# Altium PCB RF-BPF_backup.PcbDoc (part 2 of 2)
Units mm, origin at the board's own origin, x right, y up, seen from the top; angles counter-clockwise.
Board outline 170 x 77.5 mm, 2 copper layers (Top Layer, Top, Bottom Layer, Bottom), stack 1.671 mm thick; 221 components, 128 nets, 704 pads, 14 vias.
Unrouted connection lines stored in the file: 307.
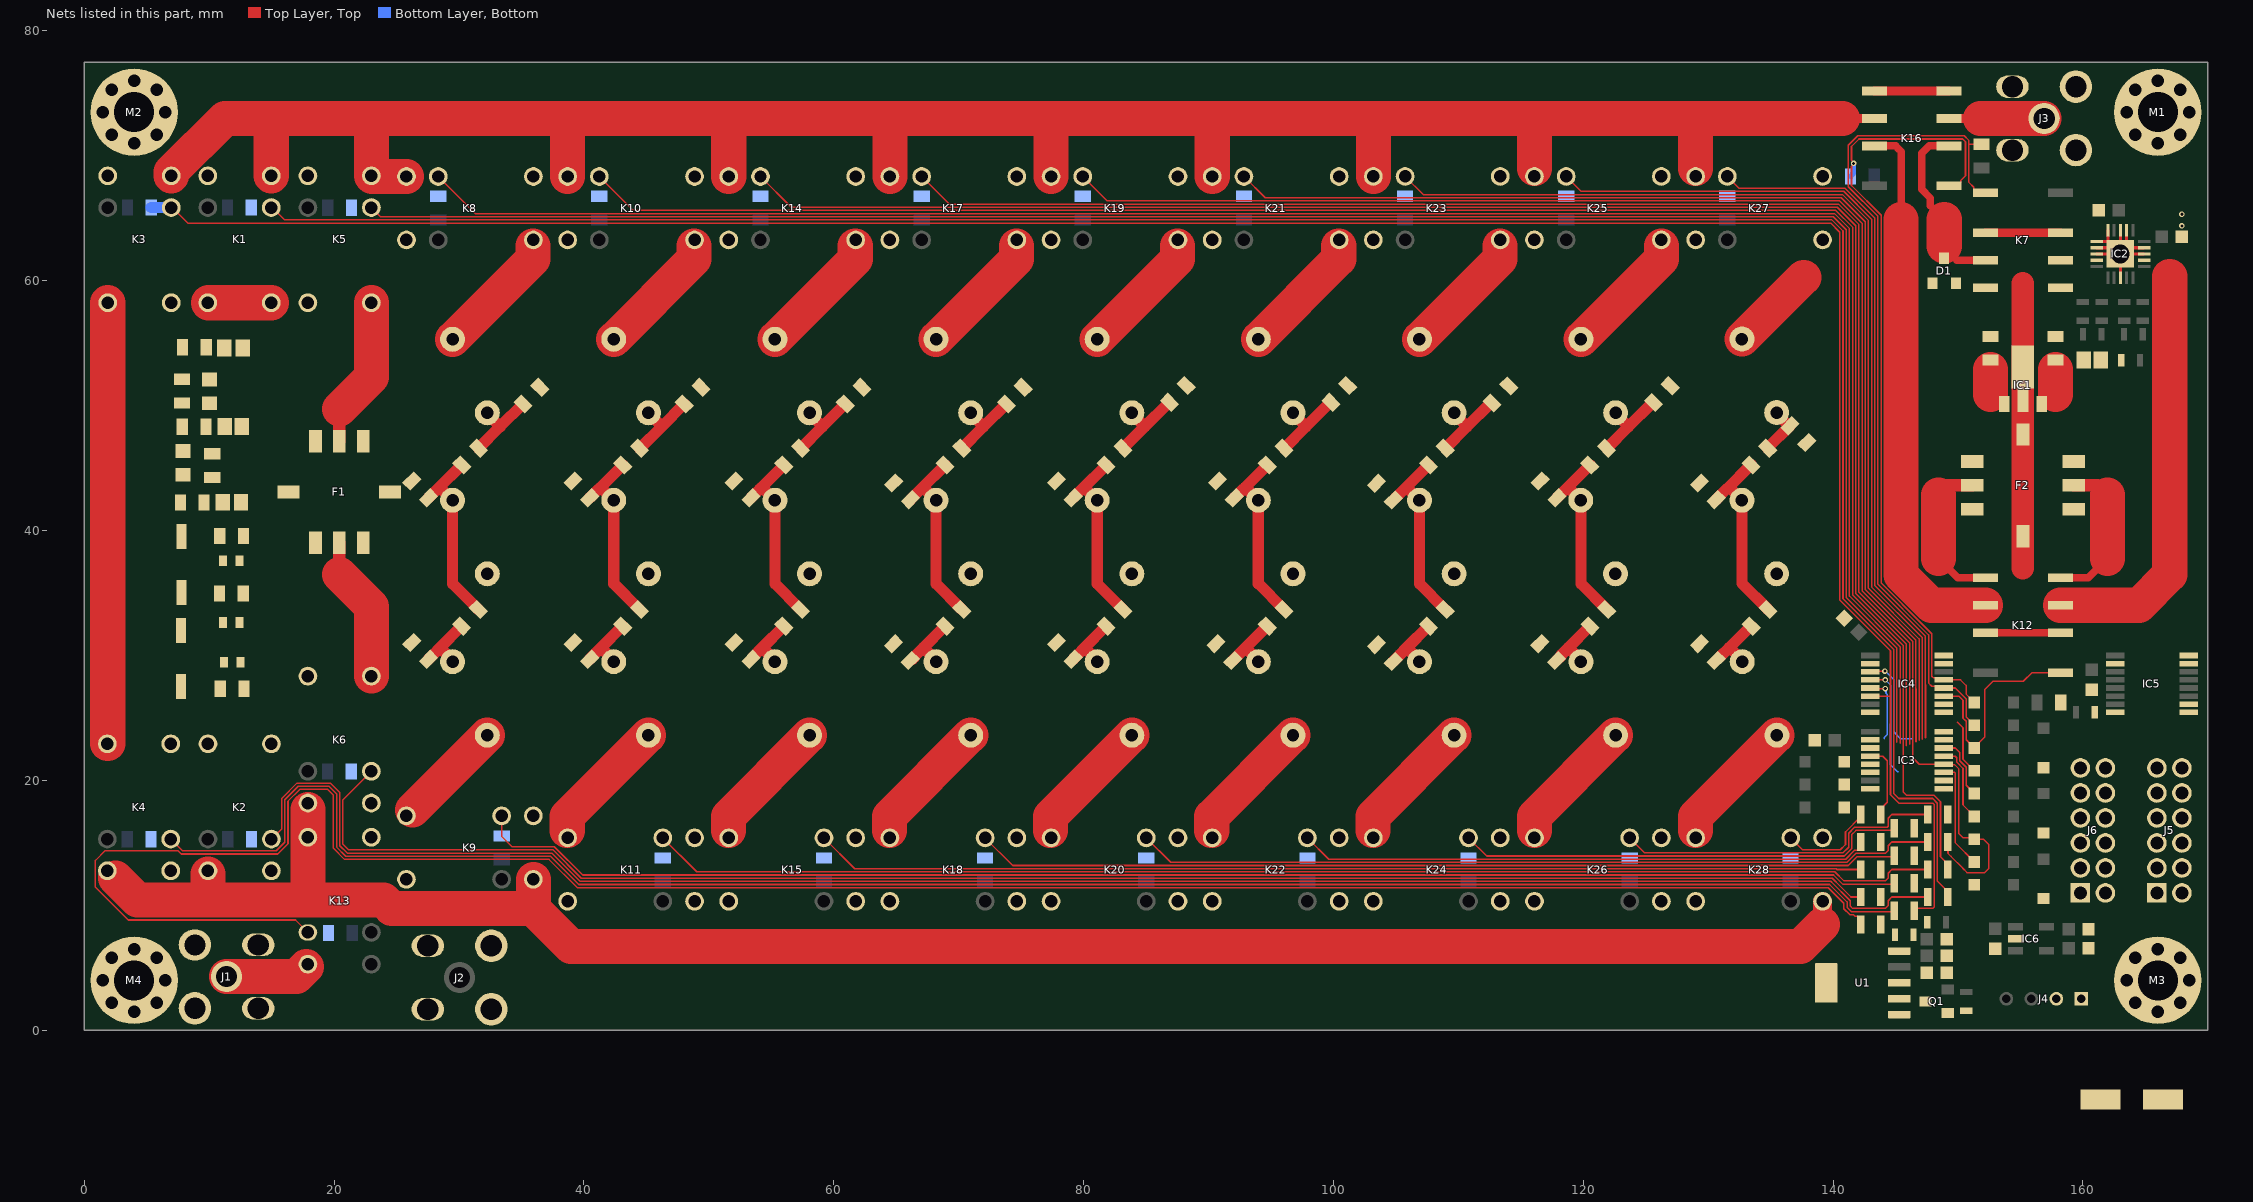
[diagram p2: the nets of this part, all layers, seen from the top]

## Via types
v1: diameter 0.45, hole 0.25, Top Layer, Top to Bottom Layer, Bottom, 14 vias

## Nets (pads, with @x,y where several pads share a name; then routed paths per layer and width w, separated by ;. In a path a pad name is that pad's centre, name@x,y a point inside that pad or via, vN(x,y) a via of type N, cw(c..) or ccw(c..) an arc to the next point about the centre after c; other vN are vias at no path point) (continued)
BPF_IN: K1.10 K3.10 K5.10 K8.10 K10.10 K14.10 K16.6 K17.10 K19.10 K21.10 K23.10 K25.10 K27.10 | length 186.3
  Top Layer, Top w0.7: 140.75,73 K16.6@143.3,73
  Top Layer, Top w2.814: K3.10@6.965,68.405 6.965,68.702 11.263,73 14.978,73 ; K1.10@14.978,68.405 14.978,73 ; K8.10@25.8,68.35 23.045,68.35 K5.10@22.99,68.405 22.99,73 ; K10.10@38.7,68.35 38.7,73 ; K14.10@51.6,68.35 51.6,73 ; K17.10@64.5,68.35 64.5,73 ; K19.10@77.4,68.35 77.4,73 ; K21.10@90.3,68.35 90.3,73 ; K23.10@103.2,68.354 103.2,73 ; K25.10@116.095,69 116.095,73 ; K27.10@129,69 129,73 ; 140.75,73 129,73 ; 14.978,73 22.99,73 ; 22.99,73 38.7,73 ; 38.7,73 51.6,73 ; 51.6,73 64.5,73 ; 64.5,73 77.4,73 ; 77.4,73 90.3,73 ; 90.3,73 103.2,73 ; 103.2,73 116.095,73 ; 116.095,73 129,73
BPF_OFF: C13.1 D13.2 IC4.6 K3.9 L10.1 | length 198
  Top Layer, Top w0.127: K3.9@6.965,65.865 7.04,65.865 8.285,64.619 139.805,64.619 140.546,63.879 140.546,34.443 144.602,30.387 144.602,26.75 ; IC4.6@142.99,26.75 144.602,26.75 ; L10.1@146.5,9.575 146.685,9.76 147.979,9.76 148.09,9.871 148.09,18.079 147.979,18.19 145.26,18.19 144.602,18.848 144.602,26.75
  Bottom Layer, Bottom w0.9: C13.1@5.375,65.865 K3.9@6.965,65.865
BPF_OUT: K2.10 K4.10 K6.10 K9.10 K11.10 K13.5 K13.6 K15.10 K18.10 K20.10 K22.10 K24.10 K26.10 K28.10 | length 153.2
  Top Layer, Top w1.5: 139.16,8.46 K28.10@139.16,10.324
  Top Layer, Top w2.814: 2.5,12.2 4.275,10.425 9.925,10.425 ; K2.10@9.91,12.514 9.91,10.44 9.925,10.425 ; K6.10@17.91,17.689 K13.6@17.91,15.455 17.91,10.425 ; K9.10@35.955,12.085 35.955,9.78 35.925,9.75 ; 139.16,8.46 137.4,6.7 38.975,6.7 35.925,9.75 ; 9.925,10.425 17.91,10.425 ; 17.91,10.425 23.95,10.425 24.625,9.75 35.925,9.75
BPF_OUT0: C8.1 D2.2 IC3.3 K1.9 L9.1 | length 189.4
  Top Layer, Top w0.127: K1.9@15.065,65.865 16.056,64.873 139.911,64.873 140.8,63.984 140.8,34.549 144.856,30.493 144.856,26.593 144.86,26.589 144.86,18.949 145.255,18.555 147.974,18.555 148.344,18.184 148.344,11.956 149.2,11.1 L9.1@149.2,10.675 ; 149.95,24.675 150.406,24.219 150.406,21.694 151.3,20.8 D2.2@151.3,20.775
BPF_OUT1: C93.1 D3.2 IC3.4 K27.9 L49.1 | length 62.5
  Top Layer, Top w0.127: K27.9@131.54,68.354 132.48,67.413 140.963,67.413 143.34,65.036 143.34,35.601 147.396,31.545 147.396,27.645 147.4,27.641 147.4,23.414 ; IC3.4@142.99,21.95 143.975,21.95 144.348,21.577 144.348,18.248 143.8,17.7 L49.1@143.8,17.275
BPF_OUT2: C86.1 D4.2 IC3.5 K25.9 L45.1 | length 69.2
  Top Layer, Top w0.127: K25.9@118.635,68.354 119.829,67.159 140.197,67.159 140.858,67.159 143.086,64.931 143.086,64.27 143.086,35.496 147.142,31.44 147.142,27.54 147.146,27.536 147.146,23.309
BPF_OUT3: C76.1 D5.2 IC3.6 K23.9 L41.1 | length 81.9
  Top Layer, Top w0.127: K23.9@105.74,68.354 107.189,66.905 140.091,66.905 140.752,66.905 142.832,64.826 142.832,64.165 142.832,35.39 146.888,31.334 146.888,27.434 146.892,27.43 146.892,23.204
BPF_OUT4: C64.1 D9.2 IC3.11 K21.9 L37.1 | length 103.2
  Top Layer, Top w0.127: K21.9@92.84,68.35 94.538,66.651 140.647,66.651 142.578,64.721 142.578,35.285 146.634,31.229 146.634,27.329 146.638,27.325 146.638,23.099 ; IC3.11@148.86,20.65 149.722,20.65 149.796,20.576 149.796,15.004 151.3,13.5 D9.2@151.3,13.475
BPF_OUT5: C56.1 D8.2 IC3.12 K19.9 L33.1 | length 127.3
  Top Layer, Top w0.127: K19.9@79.94,68.35 81.892,66.397 140.542,66.397 142.324,64.615 142.324,35.18 146.38,31.124 146.38,27.224 146.384,27.22 146.384,21.816 146.9,21.3 IC3.12@148.86,21.3 148.885,21.275 149.725,21.275 150.05,20.95 150.05,15.775 150.425,15.4 151.2,15.4 D8.2@151.3,15.3 152.052,15.3 152.45,14.902 152.45,12.925 152.15,12.625 150.725,12.625 150.375,12.975 150.375,12.994 149.45,13.919 149.44,13.919 149.2,14.159 L33.1@149.2,15.075
BPF_OUT6: C48.1 D7.2 IC3.13 K17.9 L29.1 | length 126.3
  Top Layer, Top w0.127: K17.9@67.04,68.35 69.246,66.143 140.437,66.143 142.07,64.51 142.07,35.075 146.126,31.019 146.126,27.119 146.13,27.115 146.13,22.888 ; IC3.13@148.86,21.95 149.777,21.95 149.898,21.83 149.898,21.47 150.405,20.962 150.405,18.045 151.3,17.15 D7.2@151.3,17.125
BPF_OUT7: C39.1 D6.2 IC3.14 K14.9 L25.1 | length 137.8
  Top Layer, Top w0.127: K14.9@54.14,68.35 56.6,65.889 140.332,65.889 141.816,64.405 141.816,34.97 145.872,30.914 145.872,27.014 145.876,27.01 145.876,22.783 ; IC3.14@148.86,22.6 149.791,22.6 150.152,22.239 150.152,21.576 150.659,21.068 150.659,19.616 151.3,18.975 D6.2@151.3,18.95
BPF_OUT8: C29.1 D10.2 IC4.3 K10.9 L20.1 | length 165.9
  Top Layer, Top w0.127: K10.9@41.24,68.35 43.954,65.635 140.226,65.635 141.562,64.3 141.562,34.864 145.618,30.808 145.618,26.908 145.622,26.904 145.622,19.078 145.825,18.875 145.891,18.809 148.079,18.809 148.598,18.289 148.598,13.902 149.2,13.3 L20.1@149.2,12.875 ; IC4.3@142.99,28.7 143.04,28.75 v1(144.15,28.75)
  Bottom Layer, Bottom w0.127: v1(144.15,28.75) 144.19,28.75 144.86,28.08 144.86,23.89 145.4,23.35 146.3,23.35
BPF_OUT9: C22.1 D11.2 IC4.4 K8.9 L16.1 | length 166.6
  Top Layer, Top w0.127: K8.9@28.34,68.35 31.308,65.381 139.46,65.381 140.121,65.381 141.308,64.195 141.308,63.534 141.308,34.759 145.364,30.703 145.364,26.803 145.368,26.799 145.368,22.968 ; IC4.4@142.99,28.05 v1(144.175,28.05)
  Bottom Layer, Bottom w0.127: v1(144.175,28.05) 144.19,28.05 144.606,27.634 144.606,24.556 144.6,24.55 144.6,21.25 145.136,20.714 145.222,20.714
DAC: J1.5 K13.10 | length 6.7
  Top Layer, Top w2.814: J1.5@11.4,4.3 16.991,4.3 K13.10@17.78,5.089
GND: C10.2 C11.2 C12.2 C23.2 C24.2 C26.2 C30.2 C31.2 C33.2 C40.2 C41.2 C43.2 C44.2 C45.2 C49.2 C50.2 C52.2 C53.2 C57.2 C58.2 C60.2 C61.2 C65.2 C66.2 C68.2 C69.2 C70.1 C71.1 C72.1 C75.2 C77.2 C78.2 C80.2 C83.1 C84.1 C85.1 C87.2 C88.2 C90.2 C94.2 C95.2 C97.2 D1.1 D1.2 F1.1 F1.3 F1.4 F1.5 F1.7 F1.8 F2.1 F2.3 F2.4 F2.5 F2.7 F2.8 IC1.2 IC1.4 IC2.3 IC2.4 IC2.7 IC2.8 IC2.10 IC2.11 IC2.12 IC2.13 IC2.18 IC2.21 IC3.16 IC4.16 IC5.16 IC6.2 J1.1 J1.2 J1.3 J1.4 J2.1 J2.2 J2.3 J2.4 J3.1 J3.2 J3.3 J3.4 J4.1 J4.2 J5.1 J5.2 J6.1 J6.2 K1.1 K2.1 K3.1 K4.1 K5.1 K6.1 K8.1 K9.1 K10.1 K11.1 K14.1 K15.1 K17.1 K18.1 K19.1 K20.1 K21.1 K22.1 K23.1 K24.1 K25.1 K26.1 K27.1 K28.1 L3.1 L4.1 L5.1 L6.1 L7.1 L8.1 L15.1 L19.1 L24.1 L28.1 L32.1 L36.1 L40.1 L44.1 L48.1 M1.1 M2.1 M3.1 M4.1 pad. R5.2 U1.3 U1.6 | length 40.8
  Top Layer, Top w0.254: IC2.13@161.1,62.15 pad.@163,62.15 ; IC2.12@161.1,62.65 pad.@162.5,62.65 ; IC2.11@161.1,63.15 IC2.21@162,63.15 ; IC2.10@162,64.05 IC2.21@162,63.15 ; IC2.18@163,60.25 pad.@163,62.15 ; IC2.8@163,64.05 pad.@163,62.15 ; IC2.7@163.5,64.05 pad.@163.5,62.65 ; IC2.3@164.9,62.15 pad.@163,62.15 ; IC2.4@164.9,62.65 pad.@163.5,62.65 ; IC2.21@162,63.15 pad.@162.5,62.65 ; pad.@162.5,62.65 pad.@163,62.15 ; pad.@163,62.15 pad.@163.5,62.65
  Top Layer, Top w1.8: 155.2,36.975 IC1.4@155.2,52.66 ; IC1.2@155.2,50.435 IC1.4@155.2,53.1 155.2,59.8
  other v1: 167.925,64.4 167.925,65.325
HPF_OUT: C16.1 D12.2 IC4.5 K5.9 L12.1 | length 166.9
  Top Layer, Top w0.127: K5.9@22.99,65.865 23.727,65.127 139.355,65.127 140.016,65.127 141.054,64.089 141.054,63.428 141.054,34.654 145.11,30.598 145.11,26.698 145.114,26.694 145.114,23.073 ; IC4.5@142.99,27.4 143.04,27.35 v1(144.175,27.35)
  Bottom Layer, Bottom w0.127: 144.1,23.35 144.1,23.437 144.346,23.683 144.346,24.655 144.352,24.661 144.352,26.871 144.237,26.986 144.237,27.288 v1(144.175,27.35)
LNA_ON: C21.1 D15.2 IC4.12 K7.1 Q1.1 R4.2 | length 68.3
  Top Layer, Top w0.127: D15.2@151.3,24.425 151.3,24.45 150.659,25.091 150.659,26.531 149.791,27.4 IC4.12@148.86,27.4 148.71,27.55 147.9,27.55 147.65,27.8 147.65,31.65 143.594,35.706 143.594,65.157 141.225,67.526 141.225,70.862 141.967,71.604 150.496,71.604 150.875,71.225 150.875,70.925 ; K7.1@151.829,67.336 K7.1@152.116,67.05 ; C21.1@151.875,70.925 150.875,70.925 ; K7.1@152.2,67.05 K7.1@152.116,67.05 ; 150.875,70.925 150.875,67.875 151.267,67.483 151.267,67.336 151.554,67.05 K7.1@152.116,67.05
LPF_ON: C36.1 D16.2 IC4.11 K12.1 | length 17.5
  Top Layer, Top w0.127: IC4.11@148.86,26.75 150.081,26.75 150.405,26.426 150.405,24.985 150.66,24.731 150.66,23.265 D16.2@151.3,22.625 ; D16.2@151.3,22.6 D16.2@151.3,22.625 ; K12.1@158.2,28.625 155.927,28.625 155.236,27.934 152.809,27.934 152.15,27.275 152.15,23.475 D16.2@151.3,22.625
NetC1_1: C1.1 C2.2 C6.2 L1.2 L2.1
NetC1_2: C1.2 C5.2 K1.5 K1.6 L1.1 | length 5
  Top Layer, Top w2.814: K1.5@9.95,58.245 K1.6@14.978,58.245
NetC2_1: C2.1 C3.1 C7.2 C10.1 L2.2 L6.2
NetC3_2: C3.2 C4.1 C11.1 L7.2
NetC4_2: C4.2 C12.1 K2.5 K2.6 L8.2
NetC5_1: C5.1 L3.2
NetC6_1: C6.1 L4.2
NetC7_1: C7.1 L5.2
NetC9_1: C9.1 K2.2 L9.2 | length 143.4
  Top Layer, Top w0.127: K2.2@14.99,15.31 15.805,16.125 15.805,18.561 17.038,19.794 19.701,19.794 20.458,19.038 20.458,14.783 21.05,14.19 37.428,14.19 39.695,11.923 139.4,11.924 139.827,11.923 139.875,11.876 141.375,10.375 141.375,9.95 141.566,9.76 144.179,9.76 144.41,9.99 144.41,10.379 144.706,10.675 L9.2@147.6,10.675
NetC14_1: C14.1 K4.2 L10.2 | length 149.4
  Top Layer, Top w0.127: K4.2@6.93,15.31 7.871,14.369 15.38,14.369 16.059,15.049 16.059,18.456 17.143,19.54 17.915,19.54 19.596,19.54 20.204,18.933 20.204,14.678 20.945,13.936 37.323,13.936 39.59,11.669 139.5,11.67 139.722,11.669 141.121,10.27 141.121,9.845 141.46,9.506 144.831,9.506 L10.2@144.9,9.575
NetC15_1: C15.1 K7.4
NetC15_2: C15.2 IC1.1 | length 2
  Top Layer, Top w2.814: 152.6,50.9 152.6,52.9
NetC17_1: C17.1 K6.2 L12.2 | length 130.8
  Top Layer, Top w0.127: K6.2@22.99,20.735 20.712,18.457 20.712,14.888 21.156,14.444 37.533,14.444 39.8,12.177 139.8,12.178 139.932,12.178 140.591,11.519 141.435,10.675 L12.2@142.2,10.675 142.2,11.1 L12.2@141.964,11.337
NetC18_1: C18.1 K7.5
NetC18_2: C18.2 IC1.3 L11.1 | length 2
  Top Layer, Top w2.814: 157.8,50.9 157.8,52.9
NetC19_1: C19.1 C23.1 L13.2 | length 6.6
  Top Layer, Top w0.9: C19.1@31.572,46.597 33.3,48.325 ; L13.2@32.268,49.433 32.268,49.357 33.3,48.325 ; C23.1@35.128,50.128 35.116,50.141 33.3,48.325
NetC19_2: C19.2 C20.1 C26.1 L15.2 | length 14.8
  Top Layer, Top w0.9: C26.1@27.572,42.628 28.285,43.342 ; 28.298,43.329 C19.2@30.226,45.256 ; 28.447,43.477 L15.2@29.492,42.432 29.492,35.756 C20.1@31.552,33.697
NetC20_2: C20.2 C24.1 L14.1 | length 5.3
  Top Layer, Top w0.9: C24.1@27.522,29.653 27.572,29.703 27.915,30.047 27.915,30.06 28.477,30.623 ; L14.1@29.492,29.509 29.492,29.608 28.477,30.623 ; C20.2@30.208,32.353 28.477,30.623
NetC25_1: C25.1 K9.2 L16.2 | length 114.7
  Top Layer, Top w0.127: K9.2@33.415,17.165 33.415,15.535 34.252,14.698 37.639,14.698 39.905,12.432 140.037,12.432 140.763,11.705 144.83,11.705 L16.2@144.9,11.775
NetC27_1: C27.1 C30.1 L17.2 | length 6.6
  Top Layer, Top w0.9: C27.1@44.452,46.597 44.474,46.574 46.251,48.351 ; L17.2@45.168,49.433 45.169,49.433 46.251,48.351 ; C30.1@48.028,50.128 46.251,48.351
NetC27_2: C27.2 C28.1 C33.1 L19.2 | length 14.8
  Top Layer, Top w0.9: C33.1@40.472,42.628 41.185,43.342 ; 41.198,43.329 C27.2@43.126,45.256 ; 41.347,43.477 L19.2@42.392,42.432 42.392,35.756 C28.1@44.452,33.697
NetC28_2: C28.2 C31.1 L18.1 | length 5.3
  Top Layer, Top w0.9: C31.1@40.463,29.708 41.377,30.623 ; L18.1@42.392,29.509 42.392,29.608 41.377,30.623 ; C28.2@43.108,32.353 41.377,30.623
NetC32_1: C32.1 K11.2 L20.2 | length 103.3
  Top Layer, Top w0.127: K11.2@46.32,15.404 49.038,12.686 140.142,12.686 140.868,11.959 144.179,11.959 144.41,12.19 144.41,12.579 144.706,12.875 L20.2@147.6,12.875
NetC34_1: C34.1 C40.1 L21.2 | length 6.6
  Top Layer, Top w0.9: C34.1@57.372,46.597 59.1,48.325 ; L21.2@58.068,49.433 58.068,49.357 59.1,48.325 ; C40.1@60.928,50.128 60.916,50.141 59.1,48.325
NetC34_2: C34.2 C35.1 C44.1 L24.2 | length 14.8
  Top Layer, Top w0.9: C44.1@53.372,42.628 54.085,43.342 ; 54.098,43.329 C34.2@56.026,45.256 ; 54.247,43.477 L24.2@55.292,42.432 55.292,35.756 C35.1@57.352,33.697
NetC35_2: C35.2 C41.1 L22.1 | length 5
  Top Layer, Top w0.9: C41.1@53.541,29.886 54.277,30.623 ; L22.1@55.292,29.509 55.292,29.608 54.277,30.623 ; C35.2@56.008,32.353 54.277,30.623
NetC37_1: C37.1 K13.9 L23.2 | length 174
  Top Layer, Top w0.127: K13.9@17.91,7.835 16.917,8.828 3.533,8.828 0.9,11.461 0.9,13.6 1.667,14.367 7.513,14.367 7.765,14.115 15.485,14.115 16.313,14.943 16.313,18.351 17.248,19.286 19.491,19.286 19.95,18.827 19.95,14.572 20.84,13.682 37.218,13.682 39.485,11.415 139.616,11.415 140.867,10.165 140.867,9.74 141.355,9.252 141.636,9.252 141.751,9.136 141.964,9.136 142.2,8.9 L23.2@142.2,8.475
NetC42_1: C42.1 K15.2 L25.2 | length 84.8
  Top Layer, Top w0.127: K15.2@59.22,15.404 61.684,12.939 140.248,12.939 140.312,12.875 L25.2@142.2,12.875 142.2,13.3 L25.2@141.964,13.536
NetC46_1: C46.1 C49.1 L26.2 | length 6.6
  Top Layer, Top w0.9: C46.1@70.272,46.597 72,48.325 ; L26.2@70.968,49.433 70.968,49.357 72,48.325 ; C49.1@73.828,50.128 73.816,50.141 72,48.325
NetC46_2: C46.2 C47.1 C52.1 L28.2 | length 15
  Top Layer, Top w0.9: C52.1@66.147,42.478 66.998,43.329 ; 66.998,43.329 C46.2@68.926,45.256 ; 67.147,43.477 L28.2@68.192,42.432 68.192,35.756 C47.1@70.252,33.697
NetC47_2: C47.2 C50.1 L27.1 | length 5.3
  Top Layer, Top w0.9: C50.1@66.3,29.7 66.441,29.841 66.441,29.886 67.177,30.623 ; L27.1@68.192,29.509 68.192,29.608 67.177,30.623 ; C47.2@68.908,32.353 67.177,30.623
NetC51_1: C51.1 K18.2 L29.2 | length 74
  Top Layer, Top w0.127: K18.2@72.12,15.404 74.33,13.193 141.218,13.193 141.931,13.906 144.831,13.906 L29.2@144.9,13.975
NetC54_1: C54.1 C57.1 L30.2 | length 6.6
  Top Layer, Top w0.9: C54.1@83.172,46.597 84.9,48.325 ; L30.2@83.868,49.433 83.868,49.357 84.9,48.325 ; C57.1@86.728,50.128 86.716,50.141 84.9,48.325
NetC54_2: C54.2 C55.1 C60.1 L32.2 | length 14.8
  Top Layer, Top w0.9: C60.1@79.172,42.628 79.885,43.342 ; 79.898,43.329 C54.2@81.826,45.256 ; 80.047,43.477 L32.2@81.092,42.432 81.092,35.756 C55.1@83.152,33.697
NetC55_2: C55.2 C58.1 L31.1 | length 5.3
  Top Layer, Top w0.9: C58.1@79.172,29.703 79.515,30.047 79.515,30.06 80.077,30.623 ; L31.1@81.092,29.509 81.092,29.608 80.077,30.623 ; C55.2@81.808,32.353 80.077,30.623
NetC59_1: C59.1 K20.2 L33.2 | length 64.3
  Top Layer, Top w0.127: K20.2@85.02,15.404 86.976,13.447 141.113,13.447 141.825,14.16 143.421,14.16 144.179,14.159 144.41,14.39 144.41,14.779 144.706,15.075 L33.2@147.6,15.075
NetC62_1: C62.1 C65.1 L34.2 | length 6.6
  Top Layer, Top w0.9: C62.1@96.072,46.597 97.8,48.325 ; L34.2@96.768,49.433 96.768,49.357 97.8,48.325 ; C65.1@99.628,50.128 99.616,50.141 97.8,48.325
NetC62_2: C62.2 C63.1 C68.1 L36.2 | length 14.8
  Top Layer, Top w0.9: C68.1@92.072,42.628 92.785,43.342 ; 92.798,43.329 C62.2@94.726,45.256 ; 92.947,43.477 L36.2@93.992,42.432 93.992,35.756 C63.1@96.052,33.697
NetC63_2: C63.2 C66.1 L35.1 | length 5.4
  Top Layer, Top w0.9: C66.1@91.947,29.603 92.966,30.623 92.977,30.623 ; L35.1@93.992,29.509 93.992,29.608 92.977,30.623 ; C63.2@94.708,32.353 92.977,30.623
NetC67_1: C67.1 K22.2 L37.2 | length 46.2
  Top Layer, Top w0.127: K22.2@97.92,15.404 99.622,13.701 112.163,13.701 139.175,13.702 141.008,13.702 141.72,14.414 141.964,14.414 142.2,14.65 L37.2@142.2,15.075 L37.2@142.2,15.5
NetC69_1: C69.1 C70.2 Q1.3 U1.1 U1.2
NetC73_1: C73.1 C77.1 L38.2 | length 6.6
  Top Layer, Top w0.9: C73.1@108.972,46.597 110.7,48.325 ; L38.2@109.668,49.433 109.668,49.357 110.7,48.325 ; C77.1@112.528,50.128 112.516,50.141 110.7,48.325
NetC73_2: C73.2 C74.1 C80.1 L40.2 | length 14.8
  Top Layer, Top w0.9: C80.1@104.972,42.628 105.685,43.342 ; 105.698,43.329 C73.2@107.626,45.256 ; 105.847,43.477 L40.2@106.892,42.432 106.892,35.756 C74.1@108.952,33.697
NetC74_2: C74.2 C78.1 L39.1 | length 5.5
  Top Layer, Top w0.9: C78.1@104.797,29.528 105.29,30.022 105.29,30.047 105.315,30.047 105.315,30.06 105.877,30.623 ; L39.1@106.892,29.509 106.892,29.608 105.877,30.623 ; C74.2@107.608,32.353 105.877,30.623
NetC79_1: C79.1 K24.2 L41.2 | length 36.3
  Top Layer, Top w0.127: K24.2@110.82,15.404 112.269,13.955 139.275,13.956 140.903,13.956 141.503,14.555 141.503,15.672 141.831,16 144.725,16 L41.2@144.9,16.175
NetC81_1: C81.1 C87.1 L42.2 | length 6.6
  Top Layer, Top w0.9: C81.1@121.901,46.597 123.629,48.325 ; L42.2@122.597,49.433 122.597,49.357 123.629,48.325 ; C87.1@125.457,50.128 125.445,50.141 123.629,48.325
NetC81_2: C81.2 C82.1 C90.1 L44.2 | length 14.8
  Top Layer, Top w0.9: C90.1@117.901,42.628 118.614,43.342 ; 118.627,43.329 C81.2@120.555,45.256 ; 118.776,43.477 119.821,42.432 119.821,35.756 C82.1@121.881,33.697
NetC82_2: C82.2 C88.1 L43.1 | length 5.4
  Top Layer, Top w0.9: C88.1@117.872,29.603 118.244,29.976 118.244,30.06 118.806,30.623 ; L43.1@119.821,29.509 119.821,29.608 118.806,30.623 ; C82.2@120.537,32.353 118.806,30.623
NetC89_1: C89.1 K26.2 L45.2 | length 26.7
  Top Layer, Top w0.127: K26.2@123.72,15.404 124.914,14.209 139.375,14.209 140.798,14.21 141.249,14.661 141.249,15.777 141.725,16.254 144.335,16.254 144.41,16.328 144.41,16.979 144.706,17.275 L45.2@147.6,17.275
NetC91_1: C91.1 C94.1 L46.2 | length 4.1
  Top Layer, Top w0.9: C91.1@134.771,46.596 134.761,46.605 C94.1@136.553,48.397 ; L46.2@135.485,49.451 135.485,49.375 C94.1@136.518,48.343
NetC91_2: C91.2 C92.1 C97.1 L48.2 | length 15
  Top Layer, Top w0.9: C97.1@130.647,42.478 130.789,42.621 130.789,42.646 131.503,43.359 ; 131.516,43.346 C91.2@133.443,45.273 ; 131.665,43.495 132.71,42.45 132.71,35.774 C92.1@134.769,33.714
NetC92_2: C92.2 C95.1 L47.1 | length 5.1
  Top Layer, Top w0.9: C95.1@130.959,29.904 131.695,30.64 ; L47.1@132.728,29.509 132.71,29.527 132.71,29.625 131.695,30.64 ; C92.2@133.444,32.353 133.426,32.371 131.695,30.64
NetC96_1: C96.1 K28.2 L49.2 | length 8
  Top Layer, Top w0.127: K28.2@136.62,15.404 137.56,14.463 140.582,14.463 140.995,14.877 140.995,15.883 142.2,17.088 L49.2@142.2,17.275 L49.2@142.05,17.125
NetD1_3: D1.3 K7.3 K16.2 | length 12.7
  Top Layer, Top w0.6: 148.9,65.513 148.312,65.513 147.8,66.025 147.8,66.613 147.1,67.312 147.1,70.2 147.7,70.8 K16.2@149.3,70.8 ; 149.9,61.65 K7.3@152.2,61.65
  Top Layer, Top w2.814: 148.9,62.775 148.9,64.9
NetF1_2: F1.2 K5.5 K5.6 | length 12.1
  Top Layer, Top w1: F1.2@20.425,47.165 20.425,49.725
  Top Layer, Top w2.814: 20.425,49.725 22.99,52.29 K5.6@22.99,58.245
NetF1_6: F1.6 K6.5 K6.6 | length 11.7
  Top Layer, Top w1: 20.425,36.475 F1.6@20.425,39.035
  Top Layer, Top w2.814: 20.425,36.475 22.99,33.91 K6.5@22.99,28.355
NetF2_2: F2.2 K12.5 | length 11.4
  Top Layer, Top w0.6: 148.441,37.756 149.972,36.225 K12.5@152.2,36.225
  Top Layer, Top w1: 149.2,43.625 F2.2@151.135,43.625
  Top Layer, Top w2.814: 148.441,37.756 148.441,42.866
NetF2_6: F2.6 K12.4 | length 11.4
  Top Layer, Top w0.6: K12.4@158.2,36.225 160.428,36.225 161.959,37.756
  Top Layer, Top w1: F2.6@159.265,43.625 161.2,43.625
  Top Layer, Top w2.814: 161.959,37.756 161.959,42.866
NetIC2_2: IC2.2 K12.3 | length 33.6
  Top Layer, Top w2.814: K12.3@158.2,34.025 164.5,34.025 166.95,36.475 166.95,60.35
NetIC2_14: IC2.14 K7.6
NetIC3_9: IC3.9 IC4.2
NetIC4_9: IC4.9 IC5.2
NetJ3_5: J3.5 K16.3 | length 7.6
  Top Layer, Top w0.7: K16.3@149.3,73 151.8,73
  Top Layer, Top w2.814: 151.8,73 J3.5@156.9,73
NetK3_5: K3.5 K3.6 K4.5 K4.6 | length 35.3
  Top Layer, Top w2.814: K4.6@1.885,22.965 K3.5@1.885,58.245
NetK7_2: K7.2 K7.7 | length 6
  Top Layer, Top w0.7: K7.2@152.2,63.85 K7.7@158.2,63.85
NetK8_5: K8.5 K8.6 L13.1 | length 10.1
  Top Layer, Top w2.814: L13.1@29.492,55.32 35.926,61.754 K8.5@35.926,62.8
NetK9_5: K9.5 K9.6 L14.2 | length 8.5
  Top Layer, Top w2.814: K9.5@26.272,17.628 L14.2@32.268,23.623
NetK10_5: K10.5 K10.6 L17.1 | length 10.1
  Top Layer, Top w2.814: L17.1@42.392,55.32 48.826,61.754 K10.5@48.826,62.8
NetK11_5: K11.5 K11.6 L18.2 | length 10.3
  Top Layer, Top w2.814: K11.5@38.665,16 38.665,17.12 L18.2@45.168,23.623
NetK12_2: K12.2 K12.7 | length 6
  Top Layer, Top w0.6: K12.7@152.2,31.825 K12.2@158.2,31.825
NetK12_6: K12.6 K16.7 | length 44
  Top Layer, Top w0.6: K16.7@143.3,70.8 145,70.8 145.216,70.584 145.45,70.35 145.45,64.9
  Top Layer, Top w2.814: 145.45,64.9 145.45,36.468 147.893,34.025 K12.6@152.2,34.025
NetK14_5: K14.5 K14.6 L21.1 | length 10.1
  Top Layer, Top w2.814: L21.1@55.292,55.32 61.726,61.754 K14.5@61.726,62.8
NetK15_5: K15.5 K15.6 L22.2 | length 10.3
  Top Layer, Top w2.814: K15.5@51.565,16 51.565,17.12 L22.2@58.068,23.623
NetK16_4: K16.4 K16.5 | length 6
  Top Layer, Top w0.7: K16.5@143.3,75.2 K16.4@149.3,75.2
NetK17_5: K17.5 K17.6 L26.1 | length 10.1
  Top Layer, Top w2.814: L26.1@68.192,55.32 74.626,61.754 K17.5@74.626,62.8
NetK18_5: K18.5 K18.6 L27.2 | length 10.3
  Top Layer, Top w2.814: K18.5@64.465,16 64.465,17.12 L27.2@70.968,23.623
NetK19_5: K19.5 K19.6 L30.1 | length 10.1
  Top Layer, Top w2.814: L30.1@81.092,55.32 87.526,61.754 K19.5@87.526,62.8
NetK20_5: K20.5 K20.6 L31.2 | length 10.3
  Top Layer, Top w2.814: K20.5@77.365,16 77.365,17.12 L31.2@83.868,23.623
NetK21_5: K21.5 K21.6 L34.1 | length 10.1
  Top Layer, Top w2.814: L34.1@93.992,55.32 100.426,61.754 K21.5@100.426,62.8
NetK22_5: K22.5 K22.6 L35.2 | length 10.3
  Top Layer, Top w2.814: K22.5@90.265,16 90.265,17.12 L35.2@96.768,23.623
NetK23_5: K23.5 K23.6 L38.1 | length 10.1
  Top Layer, Top w2.814: L38.1@106.892,55.32 113.326,61.754 K23.5@113.326,62.8
NetK24_5: K24.5 K24.6 L39.2 | length 10.3
  Top Layer, Top w2.814: K24.5@103.165,16 103.165,17.12 L39.2@109.668,23.623
NetK25_5: K25.5 K25.6 L42.1 | length 10.1
  Top Layer, Top w2.814: L42.1@119.821,55.32 126.255,61.754 K25.5@126.255,62.8
NetK26_5: K26.5 K26.6 L43.2 | length 10.3
  Top Layer, Top w2.814: K26.5@116.093,16 116.093,17.12 L43.2@122.597,23.623
NetK27_5: K27.5 K27.6 L46.1 | length 7
  Top Layer, Top w2.814: L46.1@132.71,55.337 137.65,60.278
NetK28_5: K28.5 K28.6 L47.2 | length 10.3
  Top Layer, Top w2.814: K28.5@129,16 129,17.12 L47.2@135.503,23.623
NetL11_2: L11.2 R1.1
NetR3_1: R3.1 R5.1 U1.5
RFUNT_ALC: J5.11 J6.11
RFUNT_CLK: IC3.15 IC4.15 IC5.15 J5.5 J6.5
RFUNT_DATA_IN: IC3.2 J5.7
RFUNT_DATA_OUT: IC5.9 J6.7
RFUNT_OE: IC3.8 IC4.8 IC5.8 J5.8 J6.8 R2.1
RFUNT_RCLK: IC3.10 IC4.10 IC5.10 J5.6 J6.6
RFUNT_THERM: J5.12 J6.12
SWR_BACKW: J5.9 J6.9
SWR_FORW: J5.10 J6.10
TX: C38.1 D14.2 IC4.13 K16.1 L23.1 | length 64.9
  Top Layer, Top w0.127: K16.1@149.3,67.6 149.946,67.6 150.233,67.887 150.233,68.033 150.6,68.4 150.6,71.125 150.375,71.35 142.072,71.35 141.479,70.757 141.479,69.636 141.65,69.465 141.65,69.335 141.479,69.164 141.479,67.632 143.853,65.258 143.853,35.807 147.232,32.428 147.904,31.755 147.904,28.346 148.04,28.21 148.7,28.21 IC4.13@148.86,28.05 150.2,28.05 150.65,27.6 150.65,26.925 151.3,26.275 D14.2@151.3,26.25
  Bottom Layer, Bottom w0.4: C38.1@141.4,68.35 141.64,68.59 141.64,69.39 v1(141.65,69.4)
WM8731_SCK: J5.3 J6.3
WM8731_SDA: J5.4 J6.4
pads on no net: IC4.14 IC5.13 IC5.14 IC6.4

## Polygon pours and split planes (outlines as drawn)
GND on Bottom Layer, Bottom "GND_L02_P000" (solid, remove dead copper, pour order 0): 0,0 0,77.5 170,77.5 170,0
GND on Top Layer, Top "GND_L01_P001" (solid, remove dead copper, pour order 1): 0,0 0,77.5 170,77.5 170,0

## Keep-outs
Keep-Out Layer:
  the board outline again, w0.254

## Other copper
Top Layer, Top:
  region net NetC15_1: 154,59.8 151.186,59.8 151.186,54.9 154,54.9
  region net NetC15_2: 154,51.3 152.6,51.3 152.6,49.5 154,49.5
  region net NetC15_2: 154,51.1 151.2,51.1 151.2,49.475 154,49.475
  rectangle net NetC15_2: 151.2,52.7 154,54.325
  region net NetC18_1: 159.2,59.8 156.386,59.8 156.386,54.9 159.2,54.9
  rectangle net NetC18_2: 156.4,52.975 160.65,54.325
  rectangle net NetC18_2: 156.4,52.7 159.2,54.325
  rectangle net NetC18_2: 156.4,49.5 157.8,51.3
  region net NetC18_2: 159.2,51.1 156.4,51.1 156.4,49.475 159.2,49.475
  rectangle net NetK16_4: 142.3,73.8 150.3,76.614
  rectangle net NetK7_2: 151.2,62.45 159.2,65.264
  rectangle net NetL11_2: 160.85,52.975 163.325,54.325
  region net NetD1_3: 150.3,62.975 147.5,62.975 147.5,61.35 150.3,61.35
  region net NetK15_5: 52.965,16.2 50.165,16.2 50.165,14.575 52.965,14.575
  region net NetK18_5: 65.865,16.2 63.065,16.2 63.065,14.575 65.865,14.575
  region net NetK20_5: 78.765,16.2 75.965,16.2 75.965,14.575 78.765,14.575
  region net NetK22_5: 91.665,16.2 88.865,16.2 88.865,14.575 91.665,14.575
  region net NetK24_5: 104.565,16.2 101.765,16.2 101.765,14.575 104.565,14.575
  region net NetK26_5: 117.493,16.2 114.693,16.2 114.693,14.575 117.493,14.575
  region net NetK28_5: 130.4,16.2 127.6,16.2 127.6,14.575 130.4,14.575
  region net NetC1_2: 10.098,56.845 10.098,59.645 8.473,59.645 8.473,56.845
  region net NetC1_2: 14.777,59.645 14.777,56.845 16.402,56.845 16.402,59.645
  rectangle net NetF1_2: 21.59,58.045 24.39,59.67
  region net BPF_IN: 8.365,68.605 5.565,68.605 5.565,66.98 8.365,66.98
  region net BPF_IN: 16.378,68.605 13.578,68.605 13.578,66.98 16.378,66.98
  region net BPF_IN: 40.1,68.55 37.3,68.55 37.3,66.925 40.1,66.925
  rectangle net NetK8_5: 34.526,62.6 37.326,64.225
  rectangle net NetK10_5: 47.426,62.6 50.226,64.225
  rectangle net NetK14_5: 60.326,62.6 63.126,64.225
  region net BPF_IN: 53,68.55 50.2,68.55 50.2,66.925 53,66.925
  region net BPF_IN: 65.9,68.55 63.1,68.55 63.1,66.925 65.9,66.925
  region net BPF_IN: 78.8,68.55 76,68.55 76,66.925 78.8,66.925
  rectangle net NetK17_5: 73.226,62.6 76.026,64.225
  rectangle net NetK19_5: 86.126,62.6 88.926,64.225
  rectangle net NetK21_5: 99.026,62.6 101.826,64.225
  region net BPF_IN: 91.7,68.55 88.9,68.55 88.9,66.925 91.7,66.925
  region net BPF_IN: 104.6,68.554 101.8,68.554 101.8,66.929 104.6,66.929
  region net BPF_IN: 117.495,69.2 114.695,69.2 114.695,67.575 117.495,67.575
  region net BPF_IN: 130.4,69.2 127.6,69.2 127.6,67.575 130.4,67.575
  rectangle net NetK23_5: 111.926,62.6 114.726,64.225
  rectangle net NetK25_5: 124.855,62.6 127.655,64.225
  rectangle net NetK12_6: 144.05,64.7 146.85,66.325
  rectangle net NetD1_3: 147.5,64.7 150.3,66.325
  rectangle net NetF2_2: 147.041,42.666 149.841,44.291
  rectangle net NetF2_6: 160.559,42.666 163.359,44.291
  region net NetF2_6: 163.359,37.956 160.559,37.956 160.559,36.331 163.359,36.331
  region net NetK12_6: 152,35.425 152,32.625 153.625,32.625 153.625,35.425
  region net NetIC2_2: 158.4,32.625 158.4,35.425 156.775,35.425 156.775,32.625
  rectangle net NetIC2_2: 165.55,60.15 168.35,61.775
  rectangle net NetIC2_2: 164.4,61.525 168.35,61.775
  region net GND: 160.6,62.025 160.6,66.325 160.65,66.375 162.075,66.375 162.125,66.325 162.125,62.075 162.075,62.025
  region net GND: 163.25,62.025 168.2,62.025 168.4,62.225 168.4,64.075 167.4,64.075 167.4,63.325 166.85,62.775 163.25,62.775
  region net NetIC2_14: 157.2,62 160.375,62 160.6,61.775 161.6,61.775 161.6,61.525 160.6,61.525 160.375,61.3 157.2,61.3
  region net +3.3V: 166.8,63.025 166.8,66.375 162.375,66.375 162.375,63.55 162.625,63.55 162.625,64.65 162.9,64.925 163.6,64.925 163.875,64.65 163.875,63.8 164.65,63.025
  region net GND: 168.4,63.025 168.4,66.375 167.4,66.375 167.4,63.025

## Silkscreen, mask and mechanical layers (free items; w line width, h text height)
Top Overlay:
  text "144-146" at 7.315,74.31 h3
  text "30-55" at 27.537,74.31 h3
  text "20-30" at 40.446,74.31 h3
  text "15-20" at 53.419,74.31 h3
  text "12.5-15" at 65.174,74.31 h3
  text "7.5-12.5" at 77.651,74.31 h3
  text "6-7.5" at 92.418,74.31 h3
  text "4-6" at 106.413,74.31 h3
  text "2.5-4" at 118.179,74.31 h3
  text "1.6-2.5" at 130.047,74.31 h3
  text "44+" at 17.904,74.293 h3
  text "MHz" at 9.45,71.675 h3
  text "MHz" at 17.463,71.675 h3
  text "MHz" at 28.243,71.675 h3
  text "MHz" at 41.143,71.675 h3
  text "MHz" at 54.043,71.675 h3
  text "MHz" at 66.943,71.675 h3
  text "MHz" at 79.843,71.675 h3
  text "MHz" at 92.743,71.675 h3
  text "MHz" at 105.643,71.675 h3
  text "MHz" at 118.538,71.675 h3
  text "MHz" at 131.443,71.675 h3
  text "RF" at 161.05,68.05 h3
  text "ATT" at 163.8,65.15 h3
  text "LNA" at 149.5,49.85 h3 r90
  text "HPF" at 18.276,35.2 h3
  text "BPF OFF" at 2.846,35.025 h3 r90
  text "44+MHz" at 15.814,32.3 h3
  text "LPF 70 MHZ" at 162.94,31.325 h3 r90
  text "144-146" at 6.825,8.585 h3
  text "30-55" at 27.532,8.585 h3
  text "20-30" at 40.446,3.785 h3
  text "15-20" at 53.419,3.785 h3
  text "12.5-15" at 65.174,3.785 h3
  text "7.5-12.5" at 77.651,3.785 h3
  text "6-7.5" at 92.418,3.785 h3
  text "4-6" at 106.413,3.735 h3
  text "2.5-4" at 118.184,3.735 h3
  text "1.6-2.5" at 130.05,3.735 h3
  text "MHz" at 41.143,1.1 h3
  text "MHz" at 54.043,1.1 h3
  text "MHz" at 66.943,1.1 h3
  text "MHz" at 79.843,1.1 h3
  text "MHz" at 92.743,1.1 h3
  text "MHz" at 105.643,1.1 h3
  text "MHz" at 118.543,1.1 h3
  text "MHz" at 131.45,1.1 h3
  text "DAC" at 15.7,0.357 h3
  text "ADC" at 34.225,0.357 h3

## Dimensions
166,73.5 to 166,4 on Mechanical 1
4,73.5 to 166,73.5 on Mechanical 1
170,77.5 to 0,77.5 on Mechanical 1
170,77.5 to 170,0 on Mechanical 1